# KiCad board LTDM_RevC.kicad_pcb
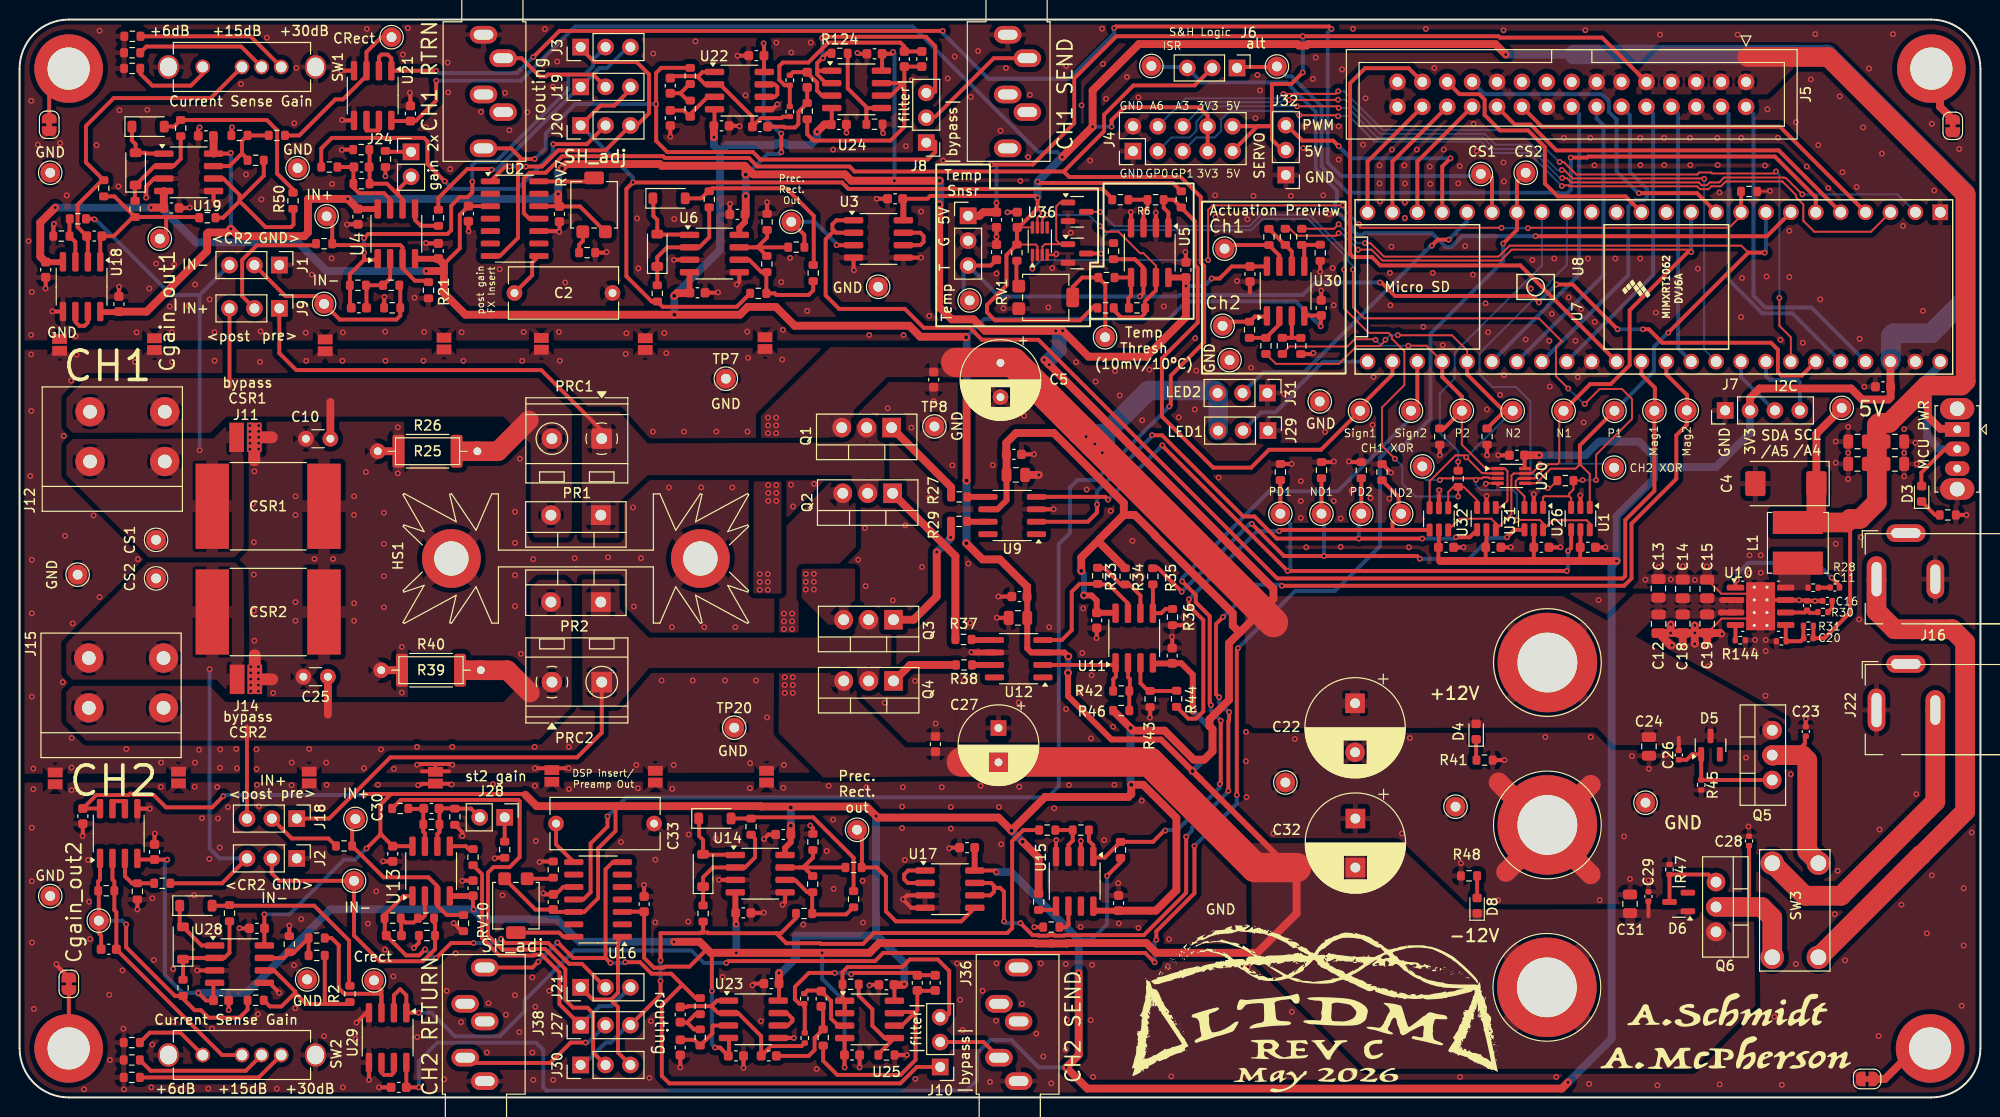
[diagram p0: board, top side]
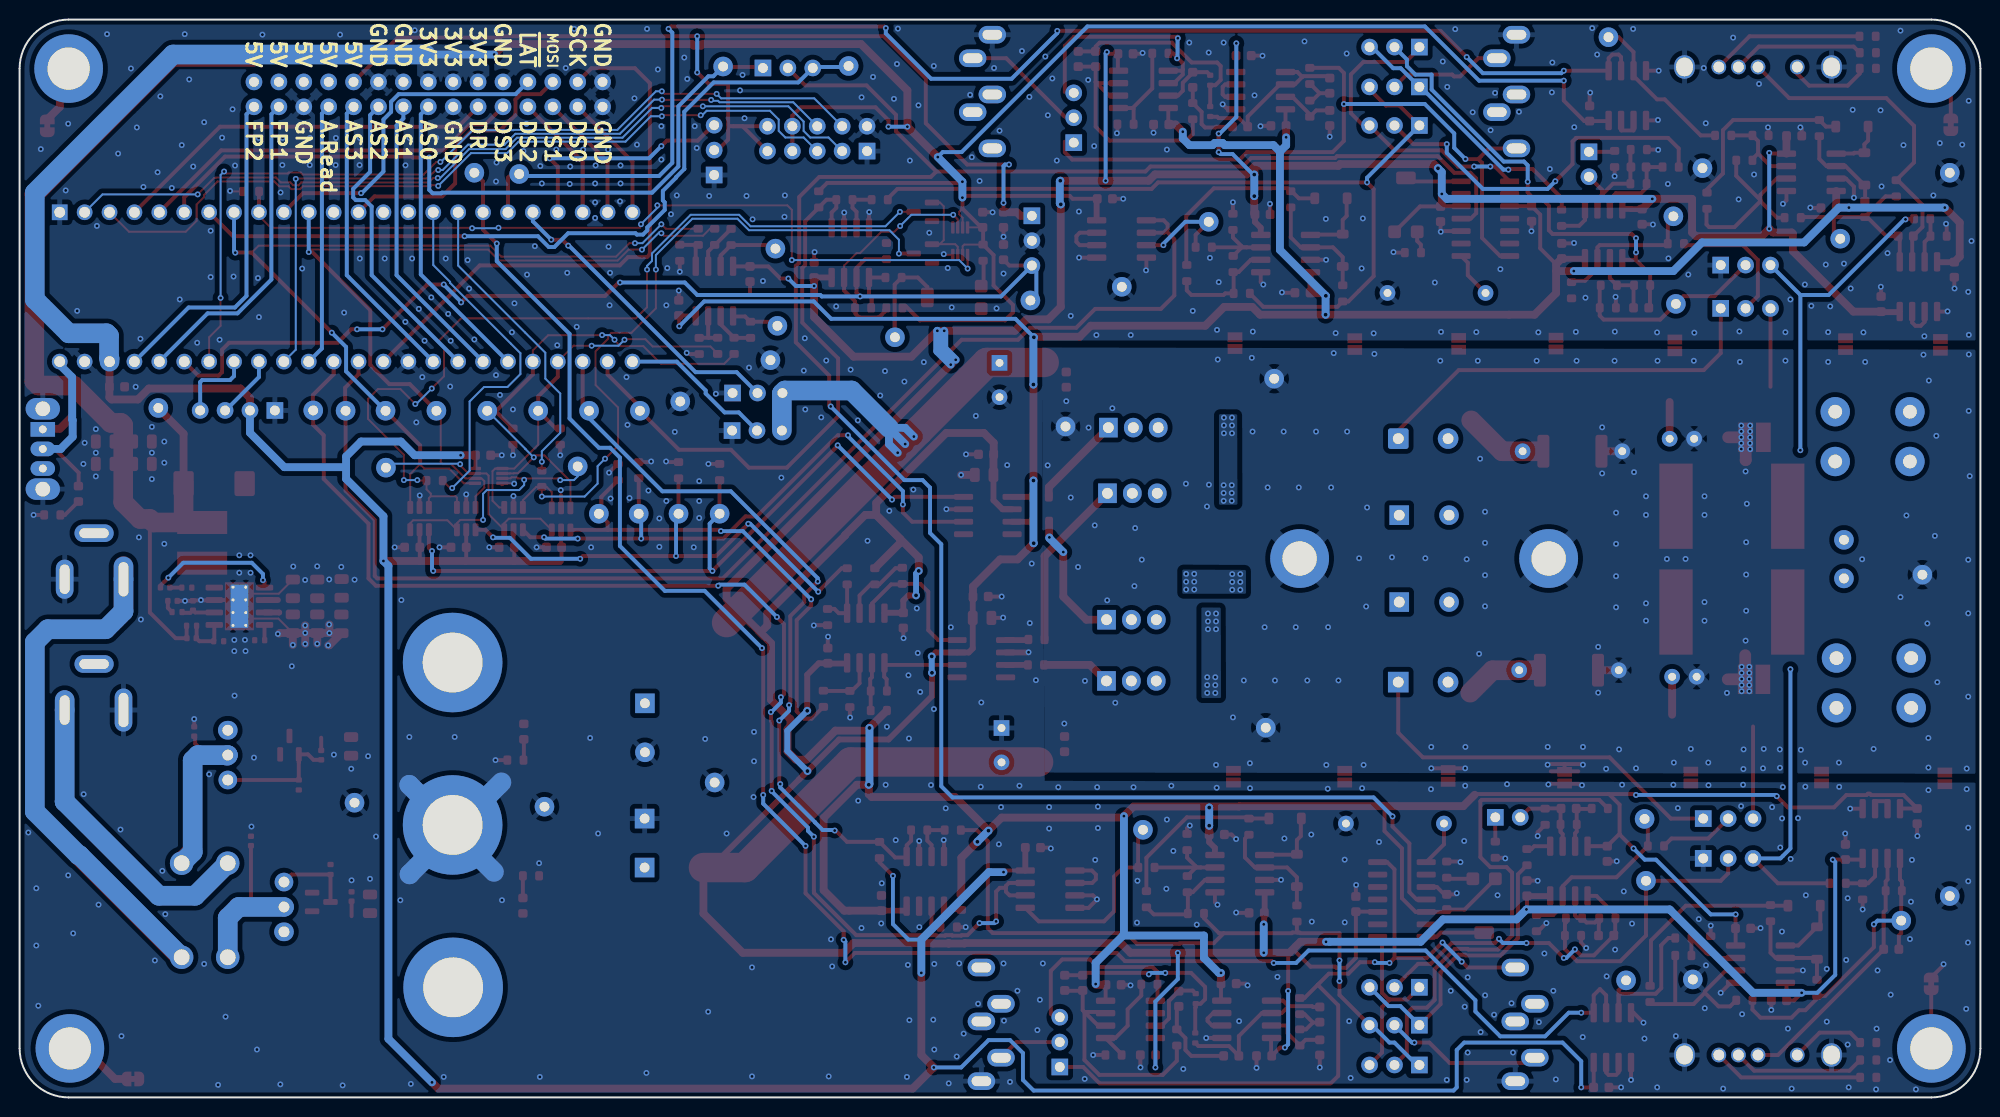
[diagram p1: board, bottom side, seen from below]

Outline 200 x 110 mm; copper layers: Top, In1.Cu, In2.Cu, Bottom. Coordinates in mm from the lower left corner of the outline.
Outline path: 0,105 arc(1.46,108.54) 5,110 195,110 arc(198.54,108.54) 200,105 200,5 arc(198.54,1.46) 195,0 5,0 arc(1.46,1.46) 0,5 0,105
Stack: Top 0.035mm / dielectric 0.1mm FR4 er 4.5 / In1.Cu 0.035mm / dielectric 1.24mm FR4 er 4.5 / In2.Cu 0.035mm / dielectric 0.1mm FR4 er 4.5 / Bottom 0.035mm

## Placement (name value [footprint] x y rotation side)
C1  220pF  [C_0603_1608Metric]  34.87 94.95 180 top
C2  10n  [C_Rect_L11.0mm_W5.1mm_P10.00mm_MKT]  60.48 82.1 180 top
C3  220pF  [C_0603_1608Metric]  34.6 80.59 180 top
C4  100u  [CP_EIA-7343-31_Kemet-D]  180.16 62.64 180 top
C5  220u  [CP_Radial_D8.0mm_P3.50mm]  100.05 74.97 270 top
C6  10u  [C_0805_2012Metric]  191.28 66.94 0 top
C7  10u  [C_0805_2012Metric]  187.47 66.94 180 top
C8  10u  [C_0805_2012Metric]  191.28 64.65 0 top
C9  10u  [C_0805_2012Metric]  187.47 64.65 180 top
C10  DNP  [C_Disc_D3.0mm_W1.6mm_P2.50mm]  31.7 67.22 180 top  (not fitted)
C11  100n  [C_0402_1005Metric]  185.15 52.04 0 top
C12  10u  [C_0805_2012Metric]  167.18 48.33 270 top
C13  10u  [C_0805_2012Metric]  167.16 51.95 90 top
C14  10u  [C_0805_2012Metric]  169.64 51.9 90 top
C15  10u  [C_0805_2012Metric]  172.13 51.9 90 top
C16  1.2n  [C_0402_1005Metric]  184.4 50.67 180 top
C17  dnp  [C_0402_1005Metric]  182.32 50.2 90 top  (not fitted)
C18  10u  [C_0805_2012Metric]  169.64 48.34 270 top
C19  10u  [C_0805_2012Metric]  172.13 48.34 270 top
C20  dnp  [C_0402_1005Metric]  182.46 46.87 180 top  (not fitted)
C22  1000u  [CP_Radial_D10.0mm_P5.00mm#2]  136.22 40.22 270 top
C23  100n  [C_0402_1005Metric]  182.19 37.35 90 top
C24  10u 35v  [C_0805_2012Metric]  166.19 35.82 270 top
C25  DNP  [C_Disc_D3.0mm_W1.6mm_P2.50mm]  31.44 42.93 180 top  (not fitted)
C26  100n  [C_0402_1005Metric]  169.24 34.93 270 top
C27  220u  [CP_Radial_D8.0mm_P3.50mm]  99.85 37.7 270 top
C28  100n  [C_0402_1005Metric]  176.4 26.17 270 top
C29  100n  [C_0402_1005Metric]  166.14 20.5 270 top
C30  220pF  [C_0603_1608Metric]  42 29.49 180 top
C31  10u 35v  [C_0805_2012Metric]  164.26 19.76 270 top
C32  1000u  [CP_Radial_D10.0mm_P5.00mm]  136.25 28.46 270 top
C33  10n  [C_Rect_L11.0mm_W5.1mm_P10.00mm_MKT]  64.72 27.95 180 top
C34  220pF  [C_0603_1608Metric]  38.17 16.52 180 top
C35  220pF  [C_0603_1608Metric]  7.61 87.91 0 top
C36  220pF  [C_0603_1608Metric]  9.09 15.12 180 top
C37  10n  [C_0603_1608Metric]  66.37 103.26 270 top
C38  10n  [C_0603_1608Metric]  67.38 8.45 270 top
C39  4.7n  [C_0603_1608Metric]  66.37 99.96 90 top
C40  4.7n  [C_0603_1608Metric]  67.38 5.1 90 top
C41  10n  [C_0603_1608Metric]  92.02 105.98 270 top
C42  10n  [C_0603_1608Metric]  91.56 11.69 270 top
C43  10n  [C_0603_1608Metric]  75.51 99.07 180 top
C44  10n  [C_0603_1608Metric]  76.41 4.24 180 top
C45  10n  [C_0603_1608Metric]  80.34 103.86 270 top
C46  10n  [C_0603_1608Metric]  81.76 10.07 270 top
C48  10n  [C_0603_1608Metric]  90.24 105.98 270 top
C49  10n  [C_0603_1608Metric]  93.39 11.69 270 top
CSR1  0.1R 5W  [R_4527]  25.35 60.33 180 top
CSR2  0.1R 5W  [R_4527]  25.35 49.54 180 top
CU1  100n  [C_0603_1608Metric]  89.31 91.71 180 top
CU2  100n  [C_0603_1608Metric]  45.78 90.19 270 top
CU3  100n  [C_0603_1608Metric]  55.06 90.16 270 top
CU4  100n  [C_0603_1608Metric]  73.22 90.12 180 top
CU5  100n  [C_0603_1608Metric]  34.5 89.89 270 top
CU6  100n  [C_0603_1608Metric]  42.7 86.39 270 top
CU7  100n  [C_0603_1608Metric]  118.96 84.45 90 top
CU8  100n  [C_0603_1608Metric]  69.14 82.12 180 top
CU9  100n  [C_0603_1608Metric]  93.24 73.26 270 top
CU10  100n  [C_0603_1608Metric]  190.07 72.53 0 top
CU11  100n  [C_0603_1608Metric]  101.42 65.63 0 top
CU12  1u  [C_0805_2012Metric]  101.62 63.53 0 top
CU13  100n  [C_0603_1608Metric]  101.98 51.12 0 top
CU14  1u  [C_0805_2012Metric]  101.83 48.94 0 top
CU15  100n  [C_0603_1608Metric]  109.86 48.68 270 top
CU16  100n  [C_0603_1608Metric]  117.56 45.08 270 top
CU17  100n  [C_0603_1608Metric]  93.41 36.06 270 top
CU18  100n  [C_0603_1608Metric]  77.89 26.83 180 top
CU19  100n  [C_0603_1608Metric]  38.06 24.87 270 top
CU20  100n  [C_0603_1608Metric]  96.64 25.49 180 top
CU21  100n  [C_0603_1608Metric]  46.25 21.35 270 top
CU22  100n  [C_0603_1608Metric]  112.09 19.83 90 top
CU23  100n  [C_0603_1608Metric]  54.43 19.95 90 top
CU24  100n  [C_0603_1608Metric]  63.7 19.73 90 top
CU25  100n  [C_0603_1608Metric]  73.82 18.83 180 top
CU26  100n  [C_0603_1608Metric]  155.22 56.14 0 top
CU27  100n  [C_0603_1608Metric]  159.95 56.14 0 top
CU28  100n  [C_0603_1608Metric]  10.13 80.97 90 top
CU29  100n  [C_0603_1608Metric]  2.66 84.48 90 top
CU30  100n  [C_0603_1608Metric]  19 98.14 180 top
CU31  100n  [C_0603_1608Metric]  15.49 90.77 180 top
CU32  100n  [C_0603_1608Metric]  75.15 106.32 180 top
CU33  100n  [C_0603_1608Metric]  71.59 99.16 180 top
CU34  100n  [C_0603_1608Metric]  39.86 100.42 90 top
CU35  100n  [C_0603_1608Metric]  6.45 28.71 270 top
CU36  100n  [C_0603_1608Metric]  13.76 25.05 270 top
CU37  100n  [C_0603_1608Metric]  24.2 17.26 180 top
CU38  100n  [C_0603_1608Metric]  20.55 9.89 180 top
CU39  100n  [C_0603_1608Metric]  88.42 11.49 180 top
CU40  100n  [C_0603_1608Metric]  84.91 4.33 180 top
CU41  100n  [C_0603_1608Metric]  38.67 1.02 180 top
CU42  100n  [C_0603_1608Metric]  87.2 106.51 180 top
CU43  100n  [C_0603_1608Metric]  83.56 99.3 180 top
CU44  100n  [C_0603_1608Metric]  76.68 11.61 180 top
CU45  100n  [C_0603_1608Metric]  73.06 4.24 180 top
CU46  100n  [C_0603_1608Metric]  152.73 65.54 180 top
CU47  100n  [C_0603_1608Metric]  150.32 56.14 0 top
CU48  100n  [C_0603_1608Metric]  145.49 56.14 0 top
CU49  100n  [C_0603_1608Metric]  125.5 84.03 270 top
CU50  100n  [C_0603_1608Metric]  99.64 89.57 270 top
CU51  100n  [C_0603_1608Metric]  99.64 86.27 90 top
CU52  100n  [C_0603_1608Metric]  101.76 89.57 90 top
CU53  100n  [C_0603_1608Metric]  132.76 80.58 270 top
D1  1N4148W  [D_SOD-123]  66.24 91.76 0 top
D2  1N4148W  [D_SOD-123]  65.04 86.46 90 top
D3  LED  [LED_0603_1608Metric]  194 61.6 90 top
D4  LED  [LED_0603_1608Metric]  148.57 37.34 90 top
D5  MMBZ5242BLT3G  [SOT-23]  172.47 35.95 90 top
D6  MMBZ5242BLT3G  [SOT-23]  169.23 19.95 180 top
D7  1N4148W  [D_SOD-123]  70.92 28.47 0 top
D8  LED  [LED_0603_1608Metric]  148.66 19.57 90 top
D9  1N4148W  [D_SOD-123]  69.72 23.17 90 top
D14  1N4148W  [D_SOD-123]  11.83 94.76 90 top
D15  1N4148W  [D_SOD-123]  16.67 15.76 90 top
D16  1N4148W  [D_SOD-123]  13.1 99.08 0 top
D17  1N4148W  [D_SOD-123]  17.98 19.57 0 top
G***  -  [LOGO]  111.91 -56.66 0 top
G***#2  -  [LOGO]  113.21 -19.3 0 top
G***#3  -  [LOGO]  113.36 -38.04 0 top
G***#4  -  [LOGO]  174.42 6.51 0 top
G***#5  -  [LOGO]  132.36 9.25 0 top
H1  MountingHole_Pad  [MountingHole_4.3mm_M4_ISO14580_Pad]  5 105 0 top
H2  MountingHole_Pad  [MountingHole_4.3mm_M4_ISO14580_Pad]  195 105 0 top
H3  MountingHole_Pad  [MountingHole_4.3mm_M4_ISO14580_Pad]  5 5 0 top
H4  MountingHole_Pad  [MountingHole_4.3mm_M4_ISO14580_Pad]  194.87 5 0 top
HS1  Heatsink_Pad_2Pin  [Heatsink_Fischer_SK104-STCB_35x13mm__2xDrill3.5mm_ScrewM3]  56.74 55 180 top
J1  Conn_01x03_Male  [PinHeader_1x03_P2.54mm_Vertical]  26.49 84.95 270 top
J2  Conn_01x03_Male  [PinHeader_1x03_P2.54mm_Vertical]  28.27 24.39 270 top
J3  Conn_01x03_Male  [PinHeader_1x03_P2.54mm_Vertical]  57.22 107.2 90 top
J4  Conn_02x05_Odd_Even  [PinHeader_2x05_P2.54mm_Vertical]  113.56 96.58 90 top
J5  Conn_02x15_Odd_Even  [IDC-Header_2x15_P2.54mm_Vertical]  176.1 103.64 270 top
J6  Conn_01x03_Male  [PinHeader_1x03_P2.54mm_Vertical#2]  124.18 105.06 270 top
J7  Conn_01x04_Socket  [PinHeader_1x04_P2.54mm_Vertical]  173.96 70.11 90 top
J8  Conn_01x03_Male  [PinHeader_1x03_P2.54mm_Vertical]  92.48 97.44 180 top
J9  Conn_01x03_Male  [PinHeader_1x03_P2.54mm_Vertical]  26.49 80.53 270 top
J10  Conn_01x03_Male  [PinHeader_1x03_P2.54mm_Vertical]  93.9 3.11 180 top
J11  CSR_Bypass  [SolderJumper-2_P1.3mm_Open_Pad1.0x1.5mm]  23.04 67.37 180 top
J12  SpringTerminal  [TerminalBlock_Spring_2_P5.08mm]  14.81 64.9 90 top
J13  Ban1  [Banana_Jack_1Pin]  155.83 44.38 0 top
J14  CSR_Bypass  [SolderJumper-2_P1.3mm_Open_Pad1.0x1.5mm]  23.09 42.67 180 top
J15  SpringTerminal  [TerminalBlock_Spring_2_P5.08mm]  14.68 39.76 90 top
J16  Barrel_Jack  [BarrelJack_Wuerth_6941xx301002]  195.6 46.58 180 top
J17  Ban2  [Banana_Jack_1Pin]  155.83 27.81 180 top
J18  Conn_01x03_Male  [PinHeader_1x03_P2.54mm_Vertical]  28.27 28.46 270 top
J19  Conn_01x03_Male  [PinHeader_1x03_P2.54mm_Vertical]  57.22 103.14 90 top
J20  Conn_01x03_Male  [PinHeader_1x03_P2.54mm_Vertical]  57.22 99.2 90 top
J21  Conn_01x03_Male  [PinHeader_1x03_P2.54mm_Vertical]  57.22 11.24 90 top
J22  Barrel_Jack  [BarrelJack_Wuerth_6941xx301002]  195.6 33.23 180 top
J23  Conn_01x03_Male  [PinHeader_1x03_P2.54mm_Vertical]  96.75 89.98 0 top
J24  CSR_Bypass  [PinHeader_1x02_P2.54mm_Vertical]  39.93 96.5 0 top
J25  Ban3  [Banana_Jack_1Pin]  155.78 11.23 0 top
J27  Conn_01x03_Male  [PinHeader_1x03_P2.54mm_Vertical]  57.22 7.37 90 top
J28  CSR_Bypass  [PinHeader_1x02_P2.54mm_Vertical]  49.48 28.58 270 top
J29  Conn_01x03_Male  [PinHeader_1x03_P2.54mm_Vertical]  127.33 68.06 270 top
J30  Conn_01x03_Male  [PinHeader_1x03_P2.54mm_Vertical]  57.22 3.31 90 top
J31  Conn_01x03_Male  [PinHeader_1x03_P2.54mm_Vertical]  127.28 71.89 270 top
J32  Conn_01x03_Male  [PinHeader_1x03_P2.54mm_Vertical]  129.16 94.14 180 top
J35  AudioJack3_SwitchTR  [Jack_3.5mm_CUI_SJ1-3535NG_Horizontal]  100.79 108.46 0 top
J36  AudioJack3_SwitchTR  [Jack_3.5mm_CUI_SJ1-3535NG_Horizontal]  101.9 1.66 180 top
J37  AudioJack3_SwitchTR  [Jack_3.5mm_CUI_SJ1-3535NG_Horizontal]  47.32 108.46 0 top
J38  AudioJack3_SwitchTR  [Jack_3.5mm_CUI_SJ1-3535NG_Horizontal]  47.45 1.66 180 top
JP1  bridge  [SolderJumper-2_P1.3mm_Bridged_RoundedPad1.0x1.5mm]  3.02 99.27 270 top
JP2  bridge  [SolderJumper-2_P1.3mm_Bridged_RoundedPad1.0x1.5mm]  197.18 99.16 270 top
JP3  GND  [SolderJumper-2_subtle]  43.29 76.93 90 top
JP4  GND  [SolderJumper-2_subtle]  53.21 76.91 90 top
JP5  GND  [SolderJumper-2_subtle]  76.03 76.98 90 top
JP6  GND  [SolderJumper-2_subtle]  4.08 76.8 90 top
JP7  GND  [SolderJumper-2_subtle]  13.76 76.88 90 top
JP9  GND  [SolderJumper-2_subtle]  63.81 76.88 90 top
JP10  GND  [SolderJumper-2_subtle]  31.16 76.75 90 top
JP12  GND  [SolderJumper-2_subtle]  54.29 32.81 90 top
JP13  GND  [SolderJumper-2_subtle]  64.84 32.73 90 top
JP14  GND  [SolderJumper-2_subtle]  76.19 32.73 90 top
JP15  GND  [SolderJumper-2_subtle]  16.2 32.65 90 top
JP16  GND  [SolderJumper-2_subtle]  29.54 32.65 90 top
JP17  GND  [SolderJumper-2_subtle]  42.41 32.63 90 top
JP18  GND  [SolderJumper-2_subtle]  3.63 32.56 90 top
JP20  bridge  [SolderJumper-2_P1.3mm_Bridged_RoundedPad1.0x1.5mm]  5.02 11.59 90 top
JP21  bridge  [SolderJumper-2_P1.3mm_Bridged_RoundedPad1.0x1.5mm]  188.44 1.88 180 top
L1  3.3u  [L_Bourns_SRN6045TA]  181.38 56.6 90 top
PR1  0.5  [TO-220-2_Vertical#2]  59.28 59.42 180 top  (not fitted)
PR2  0.5  [TO-220-2_Vertical]  54.2 50.55 0 top  (not fitted)
PRC1  Conn_01x02  [TerminalBlock_RND_205-00232_1x02_P5.08mm_Horizontal#2]  59.38 67.23 180 top
PRC2  Conn_01x02  [TerminalBlock_RND_205-00232_1x02_P5.08mm_Horizontal]  54.3 42.38 0 top
PWR_SW1  SW_SPST  [SW_Slide_1P2T_CK_OS102011MS2Q]  197.64 68.18 270 top
Q1  FQP27P06  [TO-220-3_Vertical#2]  88.94 68.36 180 top
Q2  IRLZ44N  [TO-220-3_Vertical#2]  89.04 61.66 180 top
Q3  FQP27P06  [TO-220-3_Vertical#2]  89.13 48.75 180 top
Q4  IRLZ44N  [TO-220-3_Vertical#2]  89.14 42.51 180 top
Q5  FQP27P06  [TO-220-3_Vertical]  178.76 32.39 90 top
Q6  IRLZ44N  [TO-220-3_Vertical]  173.03 21.98 270 top
Q15  BSS123  [SOT-23]  107.87 86.13 0 top
Q16  BSS123  [SOT-23]  107.87 90.38 0 top
R1  0  [R_0603_1608Metric]  31.6 94.95 180 top
R2  510  [R_0603_1608Metric]  33.69 10.56 270 top
R3  1k  [R_0603_1608Metric]  34.87 93.25 180 top
R4  1.01k  [R_0603_1608Metric]  70.34 91.66 90 top
R5  1k  [R_0603_1608Metric]  112.27 91.62 0 top
R6  1Meg  [R_0603_1608Metric]  115.87 91.62 0 top
R7  100k  [R_0603_1608Metric]  111.58 86.37 270 top
R8  0  [R_0603_1608Metric]  42.72 89.77 90 top
R9  220  [R_0603_1608Metric]  76.24 89.36 270 top  (not fitted)
R10  10k  [R_0603_1608Metric]  128.8 76.7 270 top
R11  11  [R_0603_1608Metric]  31.06 87.13 180 top
R12  0  [R_0603_1608Metric]  79.22 86.77 0 top
R13  20k  [R_0603_1608Metric]  57.88 86.22 0 top
R14  1.01k  [R_0603_1608Metric]  76.22 85.06 90 top
R15  1k  [R_0603_1608Metric]  118.49 91.65 90 top
R16  10k  [R_0603_1608Metric]  127.12 76.7 270 top
R17  1k  [R_0603_1608Metric]  34.5 82.89 180 top
R18  11  [R_0603_1608Metric]  37.9 82.89 180 top
R19  1.01k  [R_0603_1608Metric]  65.04 82.06 90 top
R20  1.01k  [R_0603_1608Metric]  75.34 82.06 0 top
R21  1k  [R_0603_1608Metric]  41.7 82.38 90 top
R22  10k  [R_0603_1608Metric]  125.45 78.34 270 top
R23  120  [R_0603_1608Metric]  196.67 59.44 180 top
R24  0  [R_0603_1608Metric]  38 80.59 0 top  (not fitted)
R25  680  [R_Axial_DIN0207_L6.3mm_D2.5mm_P10.16mm_Horizontal]  36.53 65.95 0 top  (not fitted)
R26  100R 1W  [R_2512_6332Metric]  41.61 65.95 0 top
R27  10  [R_0603_1608Metric]  95.84 61.29 180 top
R28  10R  [R_0402_1005Metric]  182.95 52.03 0 top
R29  10  [R_0603_1608Metric]  95.82 58.79 180 top
R30  20K  [R_0402_1005Metric]  183.94 49.54 0 top
R31  12K  [R_0402_1005Metric]  182.46 48.14 180 top
R32  2.2k  [R_0402_1005Metric]  179.7 46.56 180 top
R33  1k  [R_0603_1608Metric]  109.96 53.23 270 top
R34  1k  [R_0603_1608Metric]  112.76 53.18 270 top
R35  1k  [R_0603_1608Metric]  115.59 53.18 270 top
R36  1k  [R_0603_1608Metric]  117.59 49.02 90 top
R37  10  [R_0603_1608Metric]  96.28 46.74 180 top
R38  10  [R_0603_1608Metric]  96.33 44.14 180 top
R39  680  [R_Axial_DIN0207_L6.3mm_D2.5mm_P10.16mm_Horizontal]  36.88 43.6 0 top  (not fitted)
R40  100R 1W  [R_2512_6332Metric]  41.96 43.6 0 top
R41  510  [R_0603_1608Metric]  149.43 34.43 180 top
R42  1k  [R_0603_1608Metric]  112.36 41.48 180 top
R43  1k  [R_0603_1608Metric]  115.31 40.66 90 top
R44  1k  [R_0603_1608Metric]  118.01 40.68 90 top
R45  12K 1%  [R_0402_1005Metric]  171.52 31.89 270 top
R46  1k  [R_0603_1608Metric]  112.36 39.48 0 top
R47  12K 1%  [R_0402_1005Metric]  168.29 23.26 270 top
R48  510  [R_0603_1608Metric]  147.84 22.61 180 top
R49  0  [R_0603_1608Metric]  38.82 29.49 180 top
R50  510  [R_0603_1608Metric]  27.89 91.51 270 top
R51  1k  [R_0603_1608Metric]  42 27.86 180 top
R52  1.01k  [R_0603_1608Metric]  74.61 27.63 90 top
R53  1k  [R_0603_1608Metric]  104.82 27.28 0 top
R54  1Meg  [R_0603_1608Metric]  108.24 27.28 0 top
R55  10k  [R_0603_1608Metric]  129.11 87.83 90 top
R56  2.2k  [R_0603_1608Metric]  68.4 104.25 90 top
R57  220  [R_0603_1608Metric]  80.92 26.07 270 top  (not fitted)
R58  11  [R_0603_1608Metric]  33.09 25.66 180 top
R59  0  [R_0603_1608Metric]  46.25 24.52 270 top
R60  576  [R_0603_1608Metric]  34.85 96.73 0 top
R61  10k  [R_0603_1608Metric]  130.78 87.83 90 top
R62  20k  [R_0603_1608Metric]  54.43 23.25 90 top
R63  0  [R_0603_1608Metric]  85.06 23.47 0 top
R64  374  [R_0603_1608Metric]  49.48 25.28 90 top
R65  1.01k  [R_0603_1608Metric]  80.89 21.77 90 top
R66  10k  [R_0603_1608Metric]  103.94 19.96 90 top
R67  1k  [R_0603_1608Metric]  112.29 25.26 270 top
R68  1.01k  [R_0603_1608Metric]  69.72 18.77 90 top
R69  1.01k  [R_0603_1608Metric]  80.02 18.77 0 top
R70  1k  [R_0603_1608Metric]  38.05 18.3 180 top
R71  11  [R_0603_1608Metric]  41.45 18.3 180 top
R72  2.2k  [R_0603_1608Metric]  69.42 9.32 90 top
R73  1k  [R_0603_1608Metric]  45.28 17.79 90 top
R74  10k  [R_0603_1608Metric]  105.23 17.38 180 top
R75  0  [R_0603_1608Metric]  41.55 16.52 0 top  (not fitted)
R76  576  [R_0603_1608Metric]  44.4 28.65 90 top
R77  374  [R_0603_1608Metric]  37.31 95.78 90 top
R90  47  [R_0603_1608Metric]  5.94 89.67 0 top
R91  47  [R_0603_1608Metric]  14.55 21.85 0 top
R92  1k  [R_0603_1608Metric]  4.26 87.91 0 top
R93  1k  [R_0603_1608Metric]  12.01 21.03 90 top
R94  2.2k  [R_0603_1608Metric]  68.4 100.91 90 top
R95  1k  [R_0603_1608Metric]  8.58 92.78 270 top
R96  1k  [R_0603_1608Metric]  8.84 21.09 180 top
R97  1k  [R_0603_1608Metric]  11.5 108.3 0 top
R98  205  [R_0603_1608Metric]  11.48 106.62 0 top
R99  32.4  [R_0603_1608Metric]  11.48 105.02 0 top
R100  1k  [R_0603_1608Metric]  11.44 2.04 0 top
R101  205  [R_0603_1608Metric]  11.44 3.82 0 top
R102  32.4  [R_0603_1608Metric]  11.44 5.6 0 top
R103  510  [R_0603_1608Metric]  80.95 84.13 270 top
R104  510  [R_0603_1608Metric]  85.06 20.23 270 top
R105  1.01k  [R_0603_1608Metric]  11.78 90.67 90 top
R106  1.01k  [R_0603_1608Metric]  16.67 11.18 90 top
R107  1.01k  [R_0603_1608Metric]  19.15 89.78 0 top
R108  1.01k  [R_0603_1608Metric]  24.08 9.91 0 top
R109  1.01k  [R_0603_1608Metric]  16.43 98.93 90 top
R110  1.01k  [R_0603_1608Metric]  21.41 18.8 90 top
R111  1.01k  [R_0603_1608Metric]  24.08 95.64 180 top
R112  1.01k  [R_0603_1608Metric]  30.3 14.49 180 top
R113  220  [R_0603_1608Metric]  22.43 98.18 0 top  (not fitted)
R114  220  [R_0603_1608Metric]  27.51 15.64 270 top  (not fitted)
R115  0  [R_0603_1608Metric]  26.24 98.18 0 top
R116  0  [R_0603_1608Metric]  30.3 16.26 0 top
R117  2.2k  [R_0603_1608Metric]  69.42 6.12 90 top
R118  787  [R_0402_1005Metric]  78.56 100.62 270 top
R119  787  [R_0402_1005Metric]  78.56 103.81 270 top
R120  787  [R_0402_1005Metric]  80.08 6.07 270 top
R121  787  [R_0402_1005Metric]  80.03 10.08 270 top
R122  392  [R_0603_1608Metric]  80.34 100.66 270 top
R123  392  [R_0603_1608Metric]  81.96 6.12 270 top
R124  1k  [R_0603_1608Metric]  83.64 106.56 0 top
R125  1k  [R_0603_1608Metric]  84.76 11.54 0 top
R126  10k  [R_0603_1608Metric]  87.2 99.32 0 top
R127  10k  [R_0603_1608Metric]  88.42 4.33 0 top
R128  10k  [R_0603_1608Metric]  130.68 76.69 90 top
R129  10k  [R_0603_1608Metric]  132.66 86.2 90 top
R130  10k  [R_0603_1608Metric]  144.85 67.45 90 top
R131  10k  [R_0603_1608Metric]  149.68 67.45 90 top
R132  10k  [R_0603_1608Metric]  128.6 63.83 270 top
R133  10k  [R_0603_1608Metric]  132.79 64.02 270 top
R134  10k  [R_0603_1608Metric]  136.85 64.02 270 top
R135  10k  [R_0603_1608Metric]  138.96 63.81 270 top
R136  2.2k  [R_0603_1608Metric]  101.72 86.22 270 top
R137  1k  [R_0603_1608Metric]  110.86 83.68 0 top
R138  1Meg  [R_0603_1608Metric]  113.97 80.58 0 top
R139  1k  [R_0603_1608Metric]  110.77 80.58 180 top
R140  4.7k  [R_0603_1608Metric]  146.73 63.14 90 top
R141  4.7k  [R_0603_1608Metric]  157.67 62.95 180 top
R142  10k  [R_0603_1608Metric]  127.43 87.82 90 top
R143  10k  [R_0603_1608Metric]  176.4 92.46 180 top
R144  176K  [R_0402_1005Metric]  175.51 46.66 0 top
RV1  1k  [Potentiometer_Bourns_3314G_Vertical#2]  104.66 81.64 90 top
RV7  1k  [Potentiometer_Bourns_3314G_Vertical]  58.6 91.09 180 top
RV10  1k  [Potentiometer_Bourns_3314G_Vertical]  50.62 19.57 0 top
SW1  SW_SP3T  [SW_Slide-SSSS918700]  22.68 105.16 180 top
SW2  SW_SP3T  [SW_Slide-SSSS918700]  22.68 4.33 180 top
SW3  SW_DPST  [PinHeader_2x02_P2.54mm_Vertical]  178.77 23.9 0 top
TP1  TP  [TestPoint_THTPad_D2.0mm_Drill1.0mm]  115.44 105.27 0 top
TP2  TP  [TestPoint_THTPad_D2.0mm_Drill1.0mm]  128.24 105.22 0 top
TP3  TestPoint  [TestPoint_THTPad_D2.0mm_Drill1.0mm]  31.32 89.92 270 top
TP4  RectOut  [TestPoint_THTPad_D2.0mm_Drill1.0mm]  78.71 89.37 0 top
TP5  TestPoint  [TestPoint_THTPad_D2.0mm_Drill1.0mm]  87.57 82.73 0 top
TP6  TestPoint  [TestPoint_THTPad_D2.0mm_Drill1.0mm]  185.85 70.37 0 top
TP7  TestPoint  [TestPoint_THTPad_D2.0mm_Drill1.0mm]  72.03 73.35 0 top
TP8  TestPoint  [TestPoint_THTPad_D2.0mm_Drill1.0mm]  93.31 68.47 0 top
TP9  TestPoint  [TestPoint_THTPad_D2.0mm_Drill1.0mm]  170.05 70.11 0 top
TP10  TestPoint  [TestPoint_THTPad_D2.0mm_Drill1.0mm]  136.73 70.08 0 top
TP11  TestPoint  [TestPoint_THTPad_D2.0mm_Drill1.0mm]  141.92 70.08 0 top
TP12  TestPoint  [TestPoint_THTPad_D2.0mm_Drill1.0mm]  147.11 70.08 180 top
TP13  TestPoint  [TestPoint_THTPad_D2.0mm_Drill1.0mm]  152.3 70.08 0 top
TP14  TestPoint  [TestPoint_THTPad_D2.0mm_Drill1.0mm]  157.49 70.08 0 top
TP15  TestPoint  [TestPoint_THTPad_D2.0mm_Drill1.0mm]  162.68 70.08 0 top
TP16  TestPoint  [TestPoint_THTPad_D2.0mm_Drill1.0mm]  166.75 70.08 0 top
TP17  TestPoint  [TestPoint_THTPad_D2.0mm_Drill1.0mm]  13.92 56.9 0 top
TP18  TestPoint  [TestPoint_THTPad_D2.0mm_Drill1.0mm]  5.92 53.35 0 top
TP19  TestPoint  [TestPoint_THTPad_D2.0mm_Drill1.0mm]  13.92 52.97 0 top
TP20  TestPoint  [TestPoint_THTPad_D2.0mm_Drill1.0mm]  72.89 37.73 0 top
TP21  TestPoint  [TestPoint_THTPad_D2.0mm_Drill1.0mm]  165.84 30.08 0 top
TP22  TestPoint  [TestPoint_THTPad_D2.0mm_Drill1.0mm]  129.11 32.14 0 top
TP23  TestPoint  [TestPoint_THTPad_D2.0mm_Drill1.0mm]  146.46 29.67 0 top
TP24  RectOut  [TestPoint_THTPad_D2.0mm_Drill1.0mm]  85.42 27.31 0 top
TP25  TestPoint  [TestPoint_THTPad_D2.0mm_Drill1.0mm]  34.25 28.42 270 top
TP26  TestPoint  [TestPoint_THTPad_D2.0mm_Drill1.0mm]  3.13 20.55 0 top
TP27  TestPoint  [TestPoint_THTPad_D2.0mm_Drill1.0mm]  132.61 71.03 0 top
TP28  TestPoint  [TestPoint_THTPad_D2.0mm_Drill1.0mm]  3.12 94.37 0 top
TP29  TestPoint  [TestPoint_THTPad_D2.0mm_Drill1.0mm]  29.33 12.04 0 top
TP30  TestPoint  [TestPoint_THTPad_D2.0mm_Drill1.0mm]  28.35 94.84 0 top
TP31  CGain_Out2  [TestPoint_THTPad_D2.0mm_Drill1.0mm]  14.3 87.64 270 top
TP32  CGain_Out2  [TestPoint_THTPad_D2.0mm_Drill1.0mm]  8.08 18.04 180 top
TP33  CRect_Out1  [TestPoint_THTPad_D2.0mm_Drill1.0mm]  37.94 108.2 0 top
TP34  CRect_Out1  [TestPoint_THTPad_D2.0mm_Drill1.0mm]  36.14 11.95 0 top
TP35  CClamp_Out1  [TestPoint_THTPad_D2.0mm_Drill1.0mm]  149.05 94.24 270 top
TP36  CClamp_Out1  [TestPoint_THTPad_D2.0mm_Drill1.0mm]  153.62 94.37 270 top
TP37  TestPoint  [TestPoint_THTPad_D2.0mm_Drill1.0mm]  31.06 80.99 0 top
TP38  TestPoint  [TestPoint_THTPad_D2.0mm_Drill1.0mm]  34.11 22.11 0 top
TP39  TestPoint  [TestPoint_THTPad_D2.0mm_Drill1.0mm]  143.08 64.4 90 top
TP40  TestPoint  [TestPoint_THTPad_D2.0mm_Drill1.0mm]  162.63 64.27 270 top
TP41  TestPoint  [TestPoint_THTPad_D2.0mm_Drill1.0mm]  128.6 59.57 0 top
TP42  TestPoint  [TestPoint_THTPad_D2.0mm_Drill1.0mm]  132.79 59.57 0 top
TP43  TestPoint  [TestPoint_THTPad_D2.0mm_Drill1.0mm]  136.85 59.57 0 top
TP44  TestPoint  [TestPoint_THTPad_D2.0mm_Drill1.0mm]  140.92 59.57 0 top